# Altium PCB PCB1.PcbDoc
Units mil, origin at the board's own origin, x right, y up, seen from the top; angles counter-clockwise.
Board outline 2835 x 4000 mil, 2 copper layers (Top Layer, Bottom Layer); 80 components, 83 nets, 286 pads, 55 vias.
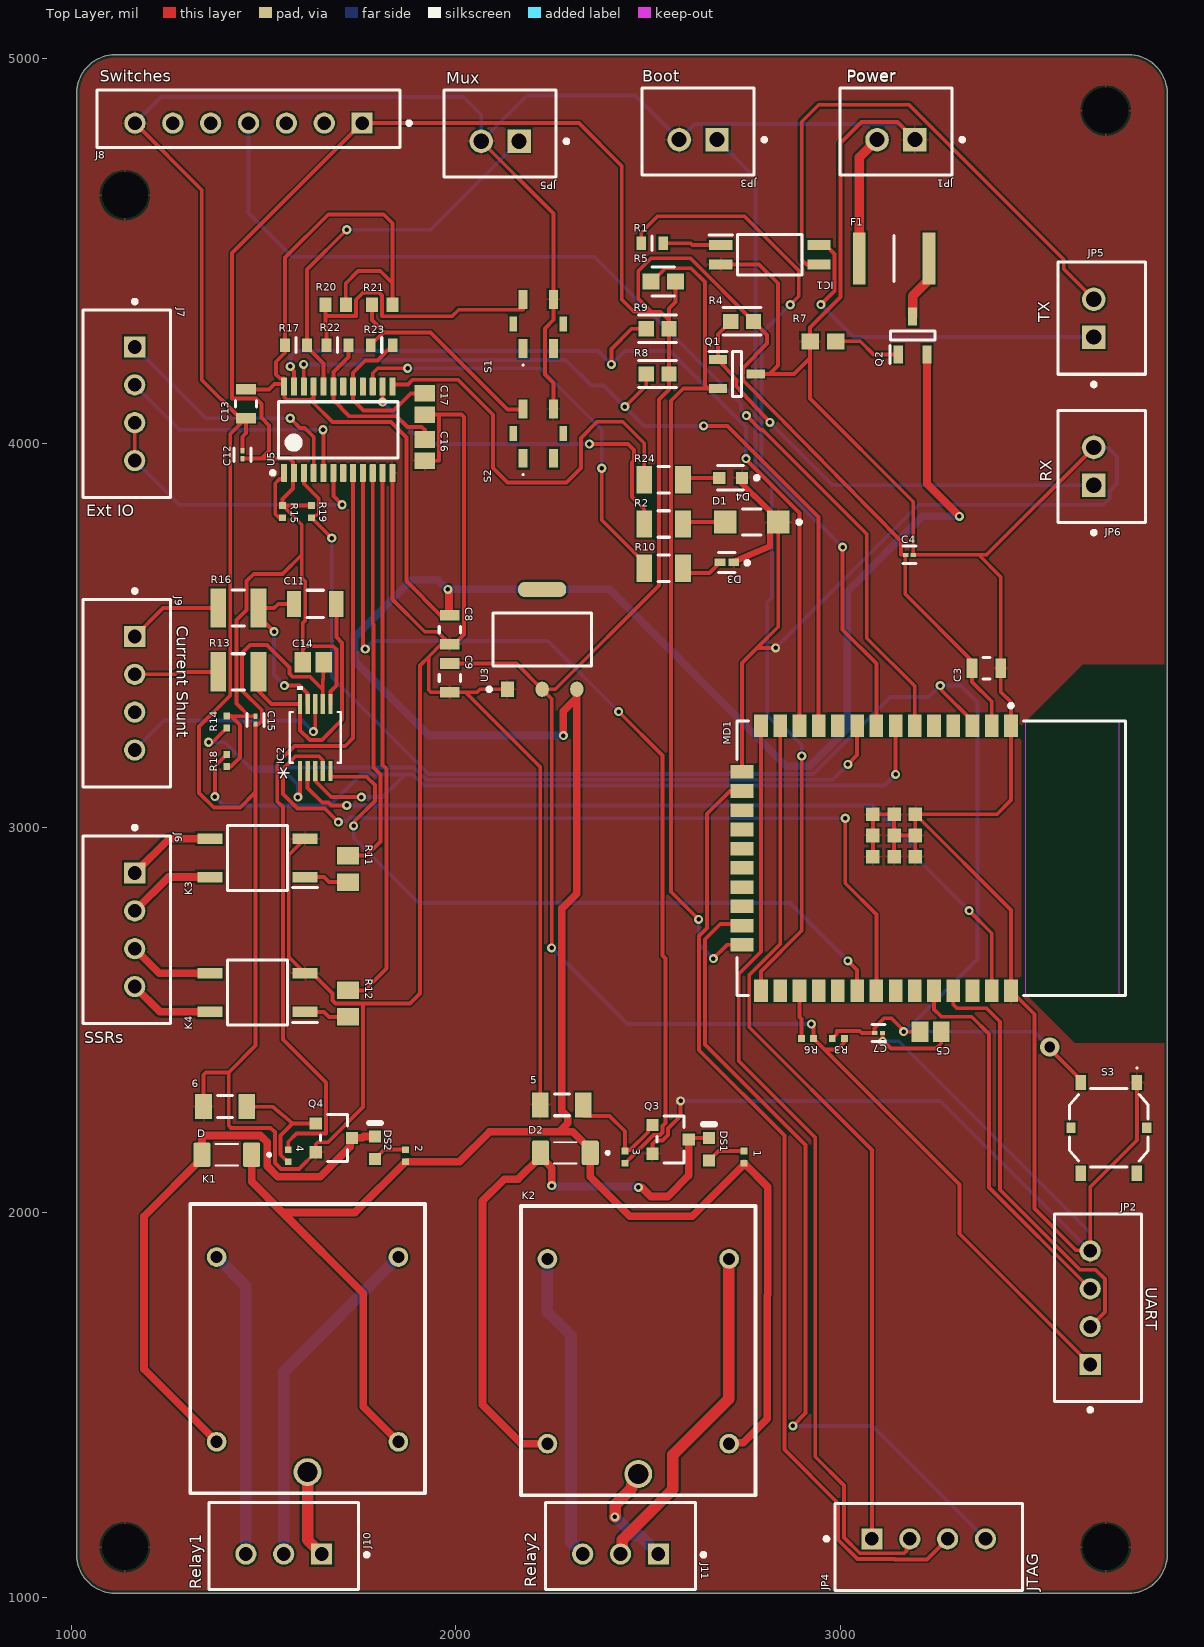
[diagram p0: Top Layer view]
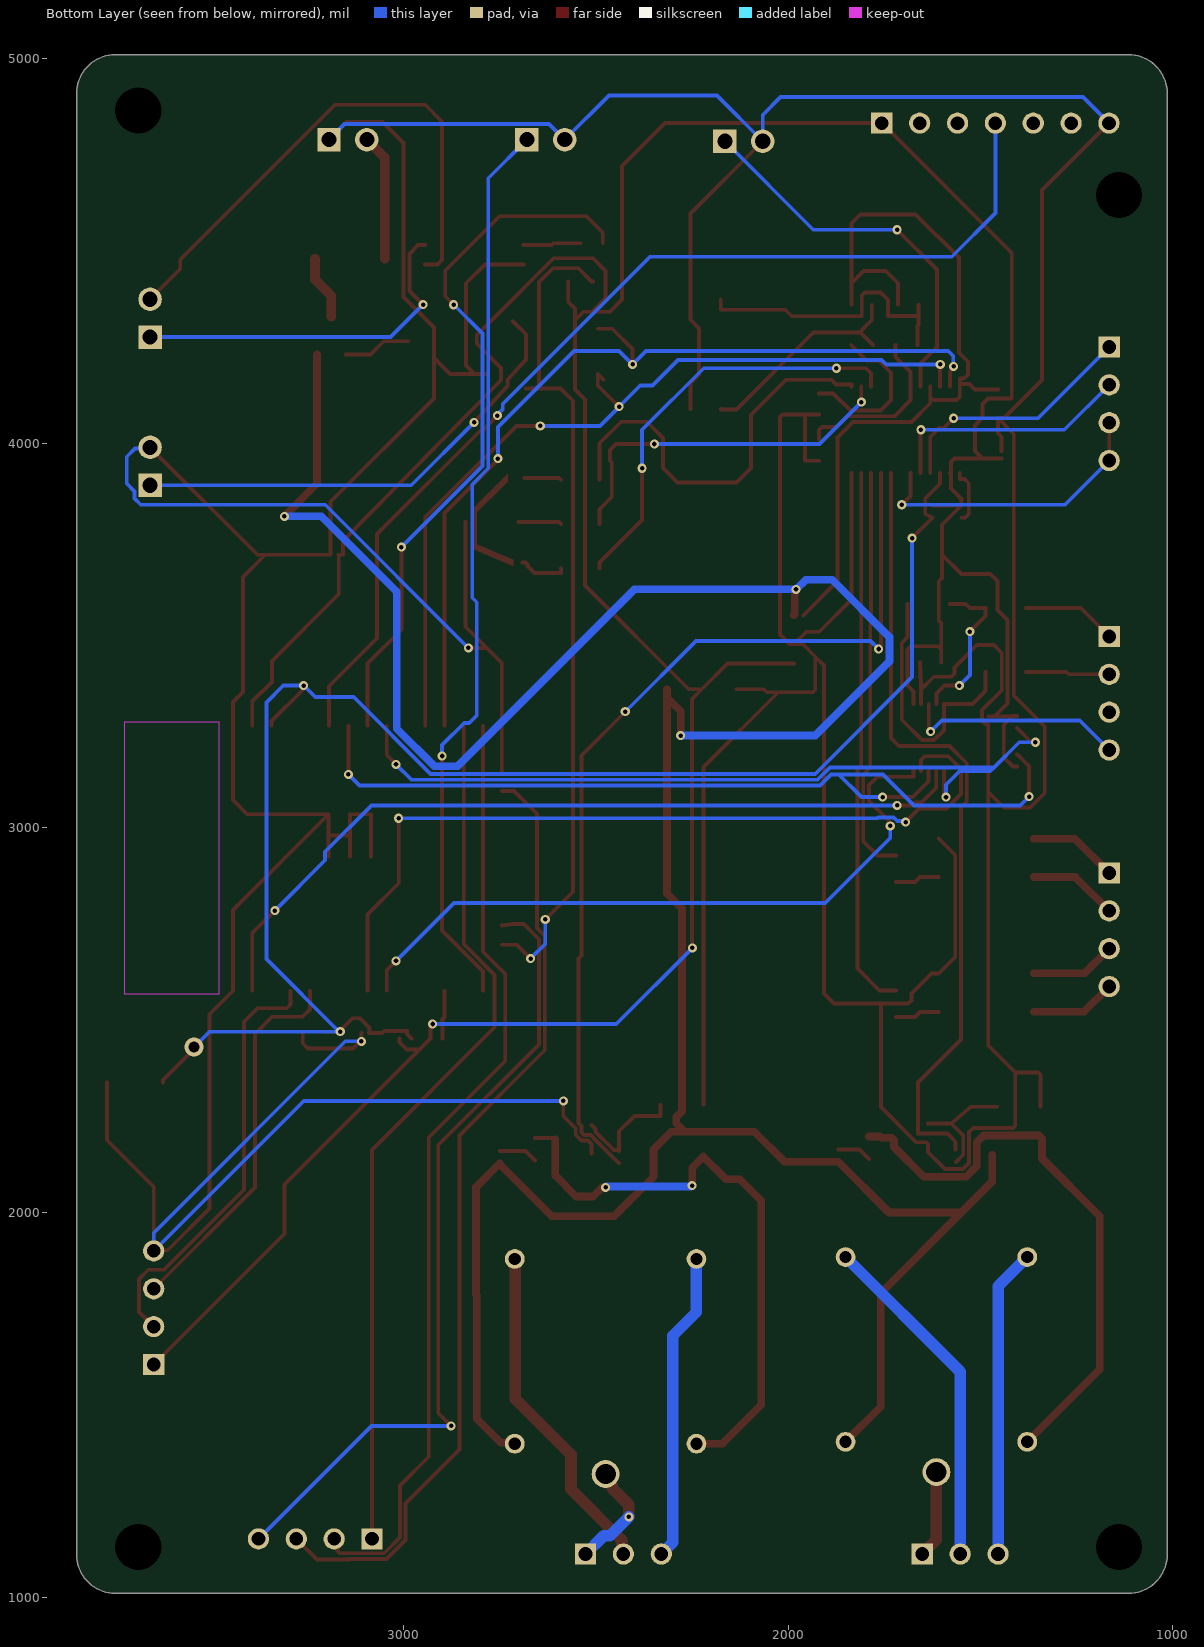
[diagram p1: Bottom Layer view, seen from below]
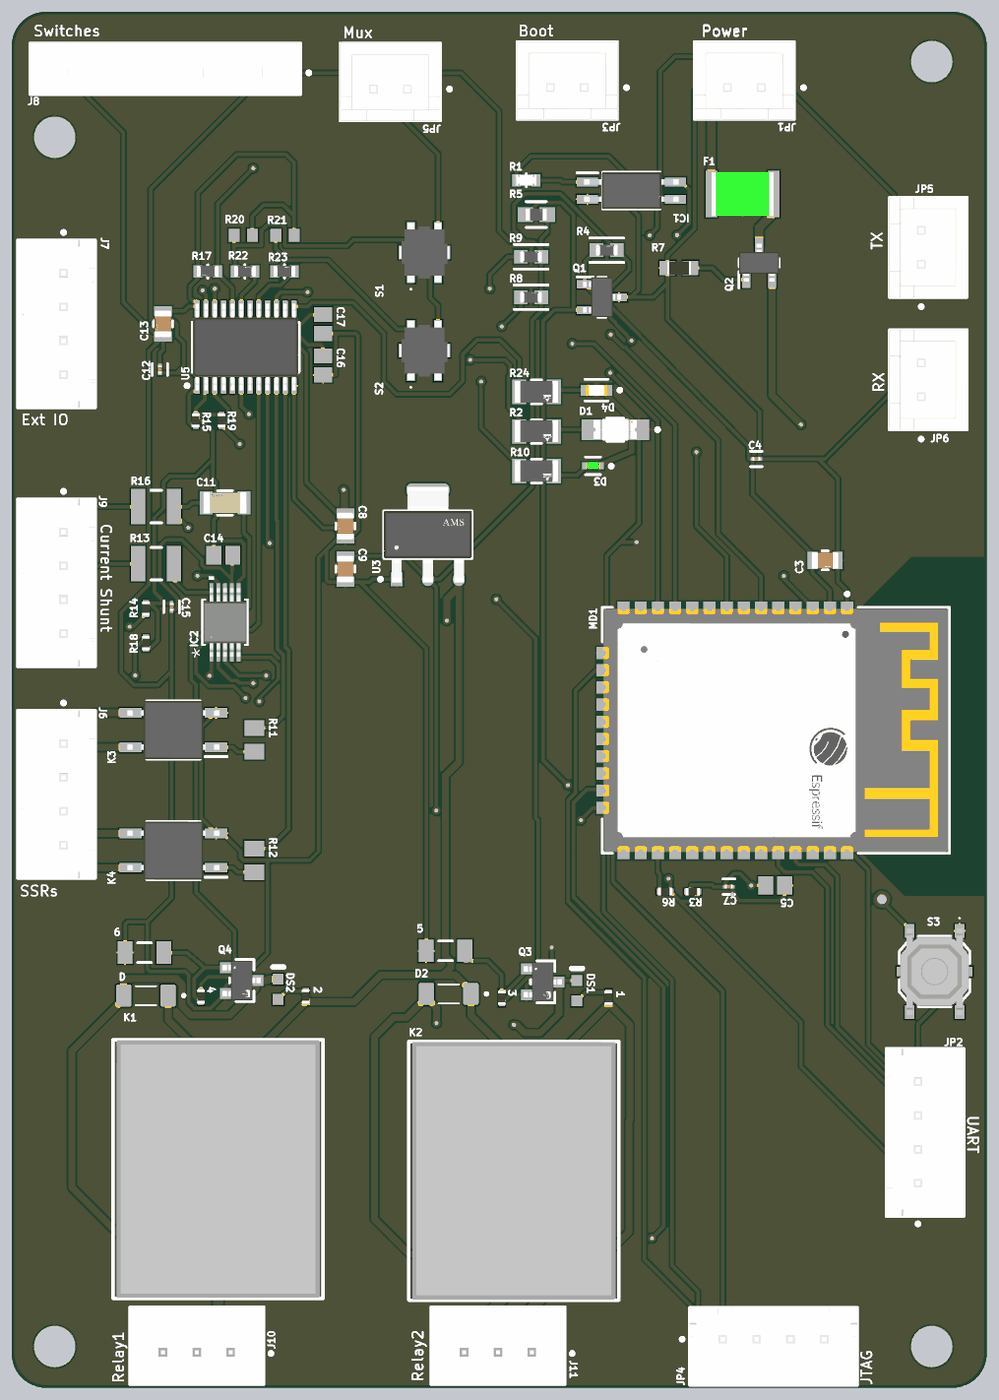
[diagram p2: 3D render of the assembled board from above, using the file's embedded part models]

## Layer stack, top to bottom
Top Solder: solder mask 0.4, Solder Resist, Dk 3.5
Top Layer: signal copper 1.4
Dielectric 1: dielectric 12.6, FR-4, Dk 4.8
Bottom Layer: signal copper 1.4
Bottom Solder: solder mask 0.4, Solder Resist, Dk 3.5

## Board outline
1015,1110 1015,4910 cw(c1115,4910) 1115,5010 3750,5010 cw(c3750,4910) 3850,4910 3850,1110 cw(c3750,1110) 3750,1010 1115,1010 cw(c1115,1110)

## Design rules (kind name [scope] priority, off if disabled: settings)
BoardOutlineClearance [All] p1: gap=7.87 ignorepadtopadclearanceinfootprint=FALSE
Clearance [All] p1: gap=5 ignorepadtopadclearanceinfootprint=FALSE except(9.84: Arc-Hole Track-Hole SMDPad-Hole THPad-Hole Via-Hole Fill-Hole Poly-Hole Region-Hole Text-Hole)
ComponentClearance [All] p1: gap=5 collisioncheckmode=3 verticalgap=5 showdistances=TRUE
DiffPairsRouting [All] p1: maxlimit=10 minlimit=5 mostfreqgap=5 toplayer_minwidth=5 toplayer_maxwidth=1000 toplayer_prefwidth=5 bottomlayer_minwidth=5 bottomlayer_maxwidth=1000 bottomlayer_prefwidth=5 maxuncoupledlength=500
Height [All] p1: minheight=0 maxheight=71497.94 prefheight=500
HoleSize [All] p1: absolutevalues=TRUE maxlimit=248.03 minlimit=11.81 maxpercent=80.000 minpercent=20.000
HoleToHoleClearance [All] p1: gap=9.84 allowstackedmicrovias=FALSE
MinimumAnnularRing [All] p1: minimumring=3
MinimumSolderMaskSliver [All] p1: minsoldermaskwidth=0
PlaneClearance [All] p1: clearance=5
PlaneConnect PlaneConnectPowerPads [InPadClass('PowerPads')] p1: planeconnectstyle=Direct reliefexpansion=20 reliefentries=4 reliefconductorwidth=10 reliefairgap=10
PlaneConnect [All] p2: pad.planeconnectstyle=Relief pad.reliefexpansion=11.81 pad.reliefentries=4 pad.reliefconductorwidth=5 pad.reliefairgap=5 via.planeconnectstyle=Direct via.reliefexpansion=11.81 via.reliefentries=4 via.reliefconductorwidth=5 via.reliefairgap=5
PolygonConnect PolygonConnectPowerPads [All vs (InPadClass('PowerPads'))] p1: connectstyle=Direct reliefconductorwidth=10 reliefentries=4 polygonreliefangle="90 Angle" airgapwidth=10
PolygonConnect [All] p2: thpad.connectstyle=Relief thpad.reliefconductorwidth=5 thpad.reliefentries=4 thpad.polygonreliefangle="90 Angle" thpad.airgapwidth=5 smdpad.connectstyle=Relief smdpad.reliefconductorwidth=5 smdpad.reliefentries=4 smdpad.polygonreliefangle="90 Angle" smdpad.airgapwidth=5 via.connectstyle=Direct via.reliefconductorwidth=5 via.reliefentries=4 via.polygonreliefangle="90 Angle" via.airgapwidth=5
RoutingVias [All] p1: holewidth=11.81 width=23.62 viastyle="Through Hole" minholewidth=11.81 minwidth=23.62 maxholewidth=23.62 maxwidth=259.84
SilkToSilkClearance [All] p1: silktosilkclearance=0
SilkToSolderMaskClearance [IsPad] p1: minsilkscreentomaskgap=5 clearancetoexposedcopper=TRUE
SolderMaskExpansion [All] p1: expansion=2.95 istentingtop=FALSE
Width [All] p1: maxlimit=1000 minlimit=5 preferedwidth=10 minimp=50.000000 maximp=50.000000 favimp=50.000000
20 further rules are at their usual default settings.

## Components (designator, comment, footprint, x,y, rotation, side; value= is the part's Value field where it differs from the comment)
1 "ERJ2RKF5600X" RESC1005X40X25LL05T05 2750,2143.66 r90 top
2 "ERJ2RKF5600X" RESC1005X40X25LL05T05 1870,2147.52 r90 top
3 "ERJ2RKF5600X" RESC1005X40X25LL05T05 2440,2143.66 r90 top
4 "ERJ2RKF5600X" RESC1005X40X25LL05T05 1565,2147.52 r270 top
5 "ERJ8ENF5102V" RESC3216X70X50NL05T20 2276.18,2280 r0 top
6 "ERJ8ENF5102V" RESC3216X70X50NL05T20 1400.75,2275 r0 top
C3 "GRM21BR60J226ME39L" FP-GRM21B-0_15-MFG 3380,3415 r0 top
C4 "GRM033R61A104KE15D" FP-GRM033-0_03-IPC_C 3179.99,3710 r0 top
C5 "C0805C105K4PACTU" CAPC2013X145X50LL20T25 3235,2470 r180 top
C7 "GRM033R61A104KE15D" FP-GRM033-0_03-IPC_C 3100,2466.65 r180 top
C8 "GRM21BR60J226ME39L" FP-GRM21B-0_15-MFG 1985,3515 r270 top
C9 "GRM21BR60J226ME39L" FP-GRM21B-0_15-MFG 1985,3390 r270 top
C11 "C1206C104K1RACTU" FP-C1206C-EB-MFG 1635,3582.28 r0 top value="0.10 μF"
C12 "GRM033R61A104KE15D" FP-GRM033-0_03-IPC_C 1445.75,3970 r270 top
C13 "GRM21BR60J226ME39L" FP-GRM21B-0_15-MFG 1455,4102.6 r270 top
C14 "C0805C105K4PACTU" CAPC2013X145X50LL20T25 1630,3430 r0 top
C15 "GRM033R61A104KE15D" FP-GRM033-0_03-IPC_C 1480,3280 r270 top
C16 "C0805C105K4PACTU" CAPC2013X145X50LL20T25 1920,3982.05 r270 top
C17 "C0805C105K4PACTU" CAPC2013X145X50LL20T25 1920,4102.05 r270 top
D "FDLL4148" DIOMELF3414N 1405,2150 r180 top
D1 "HSMS-C150" FP-HSMS-C150-MFG 2770,3795 r180 top
D2 "FDLL4148" DIOMELF3414N 2285.43,2155 r180 top
D3 "APG1005CGC-T" FP-APG1005CGC-T-MFG 2705,3690 r180 top
D4 "LTST-C193TBKT-5A" FP-LTST-C193TBKT-5A-MFG 2715,3910 r180 top
DS1 "HSMY-C190" AVAG-HSMX-C190_V 2658.48,2164.33 r90 top
DS2 "HSMY-C190" AVAG-HSMX-C190_V 1790,2168.19 r90 top
F1 "MF-MSMF150-2" FUSC4632X85N 3140,4480 r0 top
IC1 "EL3H7_B__TA_-G" SOIC127P700X200-4N 2816.85,4490 r0 top
IC2 "INA229AIDGST" VSSOP10_DGS_TEX 1635,3235 r90 top
J6 "B4B-XH-A(LF)(SN)" FP-B4B-XH-A_LF_SN-MFG 1145,2735 r90 top
J7 "B4B-XH-A(LF)(SN)" FP-B4B-XH-A_LF_SN-MFG 1145,4102.64 r90 top
J8 "B7B-EH-A(LF)(SN)" FP-B7B-EH-A_LF_SN-MFG 1461.57,4844.06 r180 top
J9 "B4B-XH-A(LF)(SN)" FP-B4B-XH-A_LF_SN-MFG 1145,3350 r90 top
J10 "B3B-XH-A(LF)(SN)" FP-B3B-XH-A_LF_SN-MFG 1553.07,1132.64 r180 top
J11 "B3B-XH-A(LF)(SN)" FP-B3B-XH-A_LF_SN-MFG 2428.72,1132.64 r180 top
JP1 "B2B-XH-A(LF)(SN)" FP-B2B-XH-A_LF_SN-MFG 3145,4810 r180 top
JP2 "B4B-XH-A(LF)(SN)" FP-B4B-XH-A_LF_SN-MFG 3670.67,1752.36 r270 top
JP3 "B2B-XH-A(LF)(SN)" FP-B2B-XH-A_LF_SN-MFG 2630.39,4810 r180 top
JP4 "B4B-XH-A(LF)(SN)" FP-B4B-XH-A_LF_SN-MFG 3230,1130.67 r180 top
JP5 "B2B-XH-A(LF)(SN)" FP-B2B-XH-A_LF_SN-MFG 3680,4325 r90 top
JP5 "B2B-XH-A(LF)(SN)" FP-B2B-XH-A_LF_SN-MFG 2115.79,4805.67 r180 top
JP6 "B2B-XH-A(LF)(SN)" FP-B2B-XH-A_LF_SN-MFG 3680,3940 r90 top
K1 "SRD-05VDC-SL-C" SRD 1615,1325 r90 top
K2 "SRD-05VDC-SL-C" SRD 2475,1320 r90 top
K3 "AQY-282SX" SOP254P680X230-4N 1485,2922.01 r180 top
K4 "AQY-282SX" SOP254P680X230-4N 1485,2571.61 r180 top
MD1 "ESP32-WROOM-32E (4MB)" FP-ESP32-WROOM-32E_4MB-MFG 3236.85,2921.06 r270 top
Q1 "AO3400A" SOT95P280X125-3N 2731.22,4180 r0 top
Q2 "AO3401A" SOT95P280X125-3N 3188.23,4280 r90 top
Q3 "AO3400A" FP-SOT23-MFG 2558.98,2190 r0 top
Q4 "AO3400A" FP-SOT23-MFG 1683.72,2193.86 r0 top
R1 "ERJ3EKF1800V" FP-ERJ3EK-MFG 2511.15,4520 r0 top value=180Ω
R2 "CRCW1206330RFKEA" FP-CRCW1206-e3-MFG 2540.67,3790 r0 top
R3 "ERJ2RKF1002X" RESC1005X40X25LL05T05 2995,2452.28 r180 top
R4 "ERA3AEB222V" FP-ERA3A-IPC_B 2745,4316.79 r0 top
R5 "CRCW06031M00FKEA" FP-CRCW0603-e3-IPC_A 2540,4420.32 r0 top
R6 "ERJ2RKF1002X" RESC1005X40X25LL05T05 2915,2452.28 r180 top
R7 "ERJ-3EKF1200V" RESC1609X55X30ML15T15 2955,4265 r0 top
R8 "ERA3AEB222V" FP-ERA3A-IPC_B 2525.05,4180 r0 top
R9 "ERA3AEB222V" FP-ERA3A-IPC_B 2525.05,4297.64 r0 top
R10 "CRCW1206330RFKEA" FP-CRCW1206-e3-MFG 2540.67,3675 r0 top
R11 "ERJ6ENF2200V" RESC2013X70X40NL20T20 1720,2893.46 r270 top
R12 "ERJ6ENF2200V" RESC2013X70X40NL20T20 1720,2543.07 r270 top
R13 "ERJ-14NF10R0U" RESC3225X70X50LL20T20 1435,3405.39 r0 top
R14 "ERJ2RKF1002X" RESC1005X40X25LL05T05 1405,3275 r270 top
R15 "ERJ2RKF1002X" RESC1005X40X25LL05T05 1550,3822.05 r270 top
R16 "ERJ-14NF10R0U" RESC3225X70X50LL20T20 1435,3571.46 r0 top
R17 "ERA-3AEB223V" FP-ERA3A-MFG 1585,4255 r180 top
R18 "ERJ2RKF1002X" RESC1005X40X25LL05T05 1405,3175 r270 top
R19 "ERJ2RKF1002X" RESC1005X40X25LL05T05 1625,3822.05 r90 top
R20 "ERJ-3GEYJ513V" RESC1608X55X30NL15T15 1687.95,4360 r0 top
R21 "ERJ-3GEYJ513V" RESC1608X55X30NL15T15 1809.45,4360 r0 top
R22 "ERA-3AEB223V" FP-ERA3A-MFG 1692.95,4255 r0 top
R23 "ERA-3AEB223V" FP-ERA3A-MFG 1807.95,4255 r0 top
R24 "CRCW1206330RFKEA" FP-CRCW1206-e3-MFG 2540.67,3905 r0 top
S1 "TS21-34-035-BK-160-SMT-TR" TS2134035BK160SMTTR 2215,4310 r90 top
S2 "TS21-34-035-BK-160-SMT-TR" TS2134035BK160SMTTR 2215,4025 r90 top
S3 "PTS526SMG20SMTR21_LFS" PTS526SMG20SMTR21LFS 3698.43,2220 r270 top
U3 "AMS1117-3.3" FP-AMS1117-IPC_C 2225,3490 r90 top
U5 "TCA6416APWR" PW0024A_L 1695,4035 r90 top

## Footprints (in the part's own frame and the unit in brackets; to place one, negate y for a bottom-side part, rotate by r counter-clockwise, add the part's x,y. Pads: shape width x height; smd on the part's side, far side on the other; paste and mask are expansions set on the pad)
AVAG-HSMX-C190_V [mm] "SMD, 2-Leads, Body 1.6x0.8mm, Height 0.9mm"
  rect 0.8x0.8 smd: 1(-0.75,0) 2(0.75,0)
  silkscreen extent 1.65,-0.4 1.65,0.4, body extent -0.8,-0.4 0.8,0.4, height 0.9
CAPC2013X145X50LL20T25 [mm] "Chip Capacitor, 2-Leads, Body 2.00x1.25mm, IPC High Density"
  rect 1.1x1.35 smd: 1(-0.7,0) 2(0.7,0)
  body extent -1.1,-0.72 1.1,0.72, height 1.45
DIOMELF3414N [mm]
  rrect25% 1.14x1.63 smd: A(1.64,0) C(-1.64,0)
  silkscreen extent -2.9,-0.7 0.75,0.7
FP-AMS1117-IPC_C [mm]
  rect 1.004x0.872 smd paste+0 mask+0: 1(-3.295,2.29)
  rrect100% 1.004x0.872 smd paste+0 mask+0: 2(-3.295,0) 3(-3.295,-2.29)
  rrect87% 1.004x3.182 smd paste+0 mask+0: 4(3.295,0)
  silkscreen extent -3.42,-3.25 1.75,3.62, body extent -3.9,-3.35 3.9,3.35, height 0.25
FP-APG1005CGC-T-MFG [mm]
  rect 0.7x0.5 smd paste+0 mask+0: 1(-0.45,0) 2(0.45,0)
  silkscreen extent -1.48,-0.65 0.55,0.65, body extent -0.9,-0.4 0.9,0.4, height 0.25
FP-B2B-XH-A_LF_SN-MFG [mm]
  rect 1.55x1.55 hole 1 paste-1000 mask+0: 1(-1.25,0.525)
  round 1.55 hole 1 paste-1000 mask+0: 2(1.25,0.525)
  silkscreen extent -4.5,-2.88 3.7,2.87, body extent -3.8,-2.98 3.8,2.98, height 0.25
FP-B3B-XH-A_LF_SN-MFG [mm]
  rect 1.4x1.4 hole 0.9 paste-1000 mask+0: 1(-2.5,0.525)
  round 1.4 hole 0.9 paste-1000 mask+0: 2(0,0.525) 3(2.5,0.525)
  silkscreen extent -5.6,-2.87 4.95,2.88, body extent -5.05,-2.98 5.05,2.98, height 0.25
FP-B4B-XH-A_LF_SN-MFG [mm]
  rect 1.4x1.4 hole 0.9 paste-1000 mask+0: 1(3.75,-0.525)
  round 1.4 hole 0.9 paste-1000 mask+0: 2(1.25,-0.525) 3(-1.25,-0.525) 4(-3.75,-0.525)
  silkscreen extent -6.2,-2.88 6.87,2.87, body extent -6.3,-2.98 6.3,2.98, height 0.25
FP-B7B-EH-A_LF_SN-MFG [mm]
  rect 1.4x1.4 hole 0.9 paste-1000 mask+0: 1(-7.5,0.3)
  round 1.4 hole 0.9 paste-1000 mask+0: 2(-5,0.3) 3(-2.5,0.3) 4(0,0.3) 5(2.5,0.3) 6(5,0.3) 7(7.5,0.3)
  silkscreen extent -10.73,-1.9 10,1.9, body extent -10.1,-2 10.1,2, height 0.25
FP-C1206C-EB-MFG [mm]
  rect 0.95x1.7 smd paste+0 mask+0: 1(-1.4,0) 2(1.4,0)
  silkscreen extent -0.55,-0.9 0.55,0.9, body extent -2,-1 2,1, height 0.25
FP-CRCW0603-e3-IPC_A [mil]
  rect 44.69x41.82 smd paste+0 mask+0: 1(-32.1,0) 2(32.1,0)
  silkscreen extent -30,-37 30,37, body extent -74,-41 74,41, height 10
FP-CRCW1206-e3-MFG [mm]
  rect 1.05x1.8 smd paste+0 mask+0: 1(-1.275,0) 2(1.275,0)
  silkscreen extent -0.38,-0.87 0.37,0.87, body extent -1.9,-1 1.9,1, height 0.25
FP-ERA3A-IPC_B [mil]
  rect 39.58x39.61 smd paste+0 mask+0: 1(-29.55,0) 2(29.55,0)
  silkscreen extent -49,-36 49,36, body extent -59,-30 59,30, height 10
FP-ERA3A-MFG [mm]
  rect 0.65x0.9 smd paste+0 mask+0: 1(-0.725,0) 2(0.725,0)
  silkscreen extent 0,-0.5 0,0.5, body extent -1.15,-0.6 1.15,0.6, height 0.25
FP-ERJ3EK-MFG [mm]
  rect 0.65x0.9 smd paste+0 mask+0: 1(-0.725,0) 2(0.725,0)
  silkscreen extent 0,-0.47 0,0.47, body extent -1.15,-0.58 1.15,0.58, height 0.25
FP-ESP32-WROOM-32E_4MB-MFG [mm]
  rect 1.5x0.9 smd paste+0 mask+0: 1(-8.75,5.26) 2(-8.75,3.99) 3(-8.75,2.72) 4(-8.75,1.45) 5(-8.75,0.18) 6(-8.75,-1.09) 7(-8.75,-2.36) 8(-8.75,-3.63) 9(-8.75,-4.9) 10(-8.75,-6.17) 11(-8.75,-7.44) 12(-8.75,-8.71) 13(-8.75,-9.98) 14(-8.75,-11.25) 25(8.75,-11.25) 26(8.75,-9.98) 27(8.75,-8.71) 28(8.75,-7.44) 29(8.75,-6.17) 30(8.75,-4.9) 31(8.75,-3.63) 32(8.75,-2.36) 33(8.75,-1.09) 34(8.75,0.18) 35(8.75,1.45) 36(8.75,2.72) 37(8.75,3.99) 38(8.75,5.26)
  rect 0.9x1.5 smd paste+0 mask+0: 15(-5.71,-12.5) 16(-4.44,-12.5) 17(-3.17,-12.5) 18(-1.9,-12.5) 19(-0.63,-12.5) 20(0.64,-12.5) 21(1.91,-12.5) 22(3.18,-12.5) 23(4.45,-12.5) 24(5.72,-12.5)
  rect 0.9x0.9 smd paste+0 mask+0: 39(-2.9,-2.46) 39(-2.9,-1.06) 39(-2.9,-3.86) 39(-1.5,-1.06) 39(-1.5,-2.46) 39(-1.5,-3.86) 39(-0.1,-1.06) 39(-0.1,-2.46) 39(-0.1,-3.86)
  Keep-Out Layer region: -9.001,6.205 8.999,6.205 8.999,12.395 -9.001,12.395
  Keep-Out Layer region: -9.001,6.205 8.999,6.205 8.999,12.395 -9.001,12.395
  silkscreen extent -10.2,-12.82 9.07,12.83, body extent -9.6,-13.35 9.6,12.93, height 0.25
FP-GRM21B-0_15-MFG [mm]
  rect 0.7x1.3 smd paste+0 mask+0: 1(-0.95,0) 2(0.95,0)
  silkscreen extent -0.22,-0.7 0.22,0.7, body extent -1.4,-0.8 1.4,0.8, height 0.25
FP-GRM033-0_03-IPC_C [mil]
  rect 13.94x10.34 smd paste+0 mask+0: 1(-10.01,0) 2(10.01,0)
  silkscreen extent -17,-22 17,22, body extent -21,-10 21,10, height 10
FP-HSMS-C150-MFG [mm]
  rect 1.5x1.5 smd paste+0 mask+0: 1(-1.75,0) 2(1.75,0)
  silkscreen extent -3.25,-0.85 0.62,0.85, body extent -2.6,-0.95 2.6,0.95, height 0.25
FP-LTST-C193TBKT-5A-MFG [mm]
  rect 0.8x0.8 smd paste+0 mask+0: 1(-0.75,0) 2(0.75,0)
  silkscreen extent -1.85,-0.8 0.85,0.8, body extent -1.25,-0.55 1.25,0.55, height 0.25
FP-SOT23-MFG [mm]
  rect 0.8x0.8 smd paste+0 mask+0: 1(-1.2,0.95) 2(-1.2,-0.95) 3(1.2,0)
  silkscreen extent -0.9,-1.55 0.9,1.55, body extent -1.7,-1.78 1.7,1.78, height 0.25
FUSC4632X85N [mm]
  rect 0.85x3.43 smd: 1(-2.3,0) 2(2.3,0)
  silkscreen extent 0,-1.52 0,1.52, body extent -2.27,-1.62 2.27,1.62, height 0.85
PTS526SMG20SMTR21LFS [mm]
  rect 1x0.7 smd: 1(-3,1.85) 2(3,1.85) 3(-3,-1.85) 4(3,-1.85)
  rect 0.7x0.6 smd: 5(0,2.5) 6(0,-2.5)
  silkscreen extent -4,-2.6 2.6,2.6, body extent -3.2,-2.55 3.2,2.55, height 2
PW0024A_L [mm] "SOP, 24-Leads, Body 7.9x4.5mm, Pitch 0.65mm, IPC High Density"
  rrect25% 1.2x0.4 smd: 1(-2.85,3.575) 2(-2.85,2.925) 3(-2.85,2.275) 4(-2.85,1.625) 5(-2.85,0.975) 6(-2.85,0.325) 7(-2.85,-0.325) 8(-2.85,-0.975) 9(-2.85,-1.625) 10(-2.85,-2.275) 11(-2.85,-2.925) 12(-2.85,-3.575) 13(2.85,-3.575) 14(2.85,-2.925) 15(2.85,-2.275) 16(2.85,-1.625) 17(2.85,-0.975) 18(2.85,-0.325) 19(2.85,0.325) 20(2.85,0.975) 21(2.85,1.625) 22(2.85,2.275) 23(2.85,2.925) 24(2.85,3.575)
  silkscreen extent -2.97,-3.95 1.85,4.45, body extent -3.21,-3.9 3.21,3.9, height 1
RESC1005X40X25LL05T05 [mm] "Chip Resistor, 2-Leads, Body 1.05x0.55mm, IPC High Density"
  rect 0.45x0.45 smd: 1(-0.4,0) 2(0.4,0)
  body extent -0.53,-0.28 0.53,0.28, height 0.4
RESC1608X55X30NL15T15 [mm] "Chip Resistor, 2-Leads, Body 1.60x0.80mm, IPC Medium Density"
  rect 0.8x0.95 smd: 1(-0.675,0) 2(0.675,0)
  body extent -0.87,-0.48 0.87,0.48, height 0.55
RESC1609X55X30ML15T15 [mm] "Chip Resistor, 2-Leads, Body 1.75x0.95mm, IPC Low Density"
  rect 1.15x1.05 smd: 1(-0.85,0) 2(0.85,0)
  body extent -0.87,-0.48 0.87,0.48, height 0.55
RESC2013X70X40NL20T20 [mm] "Chip Resistor, 2-Leads, Body 2.00x1.25mm, IPC Medium Density"
  rect 1.15x1.45 smd: 1(-0.875,0) 2(0.875,0)
  body extent -1.1,-0.72 1.1,0.72, height 0.7
RESC3216X70X50NL05T20 [mm] "Chip Resistor, 2-Leads, Body 3.20x1.60mm, IPC Medium Density"
  rect 1.1x1.65 smd: 1(-1.425,0) 2(1.425,0)
  silkscreen extent -0.5,-0.73 0.5,0.73, body extent -1.63,-0.82 1.62,0.82, height 0.7
RESC3225X70X50LL20T20 [mm] "Chip Resistor, 2-Leads, Body 3.20x2.50mm, IPC High Density"
  rect 1.05x2.6 smd: 1(-1.325,0) 2(1.325,0)
  silkscreen extent -0.4,-1.2 0.4,1.2, body extent -1.7,-1.35 1.7,1.35, height 0.7
SOIC127P700X200-4N [mm]
  rect 1.55x0.65 smd: 1(-3.25,0.635) 2(-3.25,-0.635) 3(3.25,-0.635) 4(3.25,0.635)
  silkscreen extent -4.02,-1.35 2.13,1.35, body extent -3.5,-1.35 3.5,1.35, height 2
SOP254P680X230-4N [mm]
  rect 1.65x0.7 smd: 1(-3.15,1.27) 2(-3.15,-1.27) 3(3.15,-1.27) 4(3.15,1.27)
  silkscreen extent -3.97,-2.15 1.98,2.15, body extent -3.4,-2.15 3.4,2.15, height 2.3
SOT95P280X125-3N [mm]
  rect 1.2x0.6 smd: 1(-1.25,0.95) 2(-1.25,-0.95) 3(1.25,0)
  silkscreen extent -1.85,-1.47 0.3,1.5, body extent -1.4,-1.48 1.4,1.48, height 1.25
SRD [mm]
  round 1.84 hole 1.34: 1(0,0)
  round 1.3 hole 0.8: 2(2,6) 3(2,-6) 4(14.2,6) 5(14.2,-6)
  silkscreen extent -1.4,-7.75 17.7,7.75, body extent -1.35,-7.5 17.65,7.5, height 15.04
TS2134035BK160SMTTR [mm]
  rect 1.25x0.6 smd: 1(-1.625,1) 2(1.625,1) 3(-1.625,-1) 4(1.625,-1)
  rect 1x0.5 smd: MP1(0,1.65) MP2(0,-1.65)
  silkscreen extent -2.76,0.95 -2.66,1.05, body extent -2.19,-1.85 2.19,1.85, height 1.8
VSSOP10_DGS_TEX [mil]
  rect 52.5x11 smd paste+0 mask+0: 1(-87.25,39.38) 2(-87.25,19.69) 3(-87.25,0) 4(-87.25,-19.69) 5(-87.25,-39.38) 6(87.25,-39.38) 7(87.25,-19.69) 8(87.25,0) 9(87.25,19.69) 10(87.25,39.38)
  silkscreen extent -66,-66 134,66, body extent -99,-61 99,61, height 43

## Part data
1 2 3 4: library part CMP-2002-01159-2, "Chip Resistor, 560 Ohm, +/- 1%, 0.1 W, -55 to 155 degC, 0402 (1005 Metric), RoHS, Tape and Reel", Case Code (Imperial)=0402, Case Code (Metric)=1005, Max Operating Temperature="155 degC", Min Operating Temperature="-55 degC", Package Quantity=10000, Power Rating="100 mW", Resistance="560 Ohm", Tolerance=1%, Voltage Rating="50 V", Case\Package=0402, ComponentLink1Description="Manufacturer URL", ComponentLink1URL=http://www.panasonic.com/, ComponentLink2Description=Datasheet, ComponentLink2URL=http://industrial.panasonic.com/cdbs/www-data/pdf/RDA0000/AOA0000C86.pdf, DatasheetVersion=04/2015, Height="0.35 mm", Length="1 mm", Mount="Surface Mount", Mounting Technology="Surface Mount", PackageDescription="2-Pin Surface Mount Device, Body 1 x 0.5 mm", PackageReference=0402, Packaging="Tape and Reel", Pins=2, Radiation Hardening=No, REACH SVHC=Yes, RoHSCompliant=true, Width="0.5 mm"
5 6: library part CMP-2003-00854-1, Manufacturer=Panasonic, Part Number=ERJ8ENF5102V
C3 C8 C9 C13: library part CMP-2007-03385-2, "Chip Multilayer Ceramic Capacitors for General Purpose, 0805, 22uF, X5R, 15%, 20%, 6.3V", Capacitance=22uF, Case Code (Imperial)=0805, Case Code (Metric)=2012, Dielectric=X5R, Max Operating Temperature=85°C, Min Operating Temperature=-55°C, Package Quantity=1, Tolerance=20%, Voltage=6.3V, Case/Package=0805, Depth=1.25mm, Height=1.25mm, Lead Free="Lead Free", Length=2mm, Material=Ceramic, Mount="Surface Mount", Packaging="Tape and Reel", Radiation Hardening=No, REACH SVHC="No SVHC", Termination=SMD/SMT, Thickness=0.053inch, Voltage Rating=6.3V, Voltage Rating (DC)=6.3V, Width=0.049inch
C4 C7 C12 C15: library part CMP-2010-01264-2, "Chip Multilayer Ceramic Capacitors for General Purpose, 0201, 0.10uF, X5R, 15%, 10%, 10V", Capacitance=100nF, Case Code (Imperial)=0201, Case Code (Metric)=0603, Dielectric=X5R, Max Operating Temperature=85°C, Min Operating Temperature=-55°C, Package Quantity=1, Tolerance=10%, Voltage=10V, Case/Package=0201, Depth=0.3mm, Height=0.3mm, Lead Free="Lead Free", Length=0.6mm, Mount="Surface Mount", Packaging="Tape and Reel", Radiation Hardening=No, REACH SVHC="No SVHC", Termination=SMD/SMT, Thickness=0.013inch, Voltage Rating=10V, Voltage Rating (DC)=10V, Weight=6E-06oz, Width=0.012inch
C5 C14 C16 C17: library part CMP-1036-04746-2, Capacitance=1uF, Manufacturer=Kemet, Part Number=C0805C105K4PACTU
C11: library part CMP-03020-000153-1, "CAP CER 0.1UF 100V X7R 1206", Capacitance="0.10 μF", Manufacturer=KEMET, Package=C1206C-EB, Temperature="-55°C to +150°C", Temperature Characteristic=X7R, Temperature Coefficient=15%, Temperature Range High=+150°C, Temperature Range Low=-55°C, Tolerance=0.1, Voltage Rating="100 V", Automotive=Yes, Automotive Grade="Grade 0", Category=Cap, ComponentLink2Description=Datasheet, ComponentLink2URL=https://content.kemet.com/datasheets/KEM_C1007_X8R_ULTRA_150C_SMD.pdf, Device Class L1="Passive Components", Device Class L2=Capacitors, Device Class L3="Ceramic Capacitors", Digikey Description="CAP CER 0.1UF 100V X7R 1206", Height=0.88mm, Ipc Land Pattern Name=CAPC320160X78, Lead Free=Yes, Manufacturer Part Number=C1206C104K1RACTU, Material=Ceramic, Mouser Description="CAP CER 0.1UF 100V X7R 1206", Octopart=https://octopart.com/c1206c104k1ractu-kemet-89521, RoHS=TRUE